# Allegro board BeagleBone AI -64_PCB_V1.02_211119.brd (continued)
## Routing (per net, layer and track width the routed paths; a pad name or vN(x,y) marks a point on that pad's centre or on a via; arc(x,y) is an arc through that point) (continued)
N23_ADC1_AIN0/C29_WKUP_GPIO0_59: length 75.4
  TOP w0.165: v1(-21.28,39.88) -21.22,39.94 R260.2 ; v1(-19.88,48.76) -19.88,48.79 -19.95,48.73 R273.2
  L3-SIGNAL w0.102: v1(-45.85,7.73) -45.28,8.3 -45.28,8.69 -44.14,9.83 -39.06,9.83 -38.65,9.42 -37.71,9.42 -37.51,9.63 -36.77,9.63 -34.25,7.11 -26.58,7.11 -23.93,9.76 -21.23,9.76 v1(-21,9.53)
  L8-PWR/GND w0.127: v1(-21.28,39.88) -20.57,40.59 -20.57,45.75 -20.76,45.94 -20.76,46.27 -20.57,46.46 -20.57,48.08 v1(-19.88,48.76)
  L10-SIGNAL w0.102: v1(-21,9.53) -21.91,10.44 -21.91,22.51 -21.76,22.66 -21.76,31.01 -21.86,31.12 -21.86,33.68 -21.99,33.81 -21.99,35.82 -21.84,35.97 -21.84,37.01 -21.2,37.65 -21.2,38.75 -21.28,38.83 v1(-21.28,39.88)
  BOTTOM w0.165: J10.16 v1(-45.85,7.73) ; v1(-21,9.53) -21.48,10.01 -21.48,12.07 -20.9,12.65 D19.2
Net_81:
  vias: v1(-27.37,35.58)
Net_112: length 0.6
  TOP w0.229: v1(-4.29,41.58) -4.69,41.98 -4.69,41.98
Net_369: length 0.6
  TOP w0.229: 0.91,47.58 v1(1.31,47.18)
Net_370: length 0.6
  TOP w0.229: 0.91,45.98 0.91,45.98 v1(1.31,45.58)
Net_396: length 0.6
  TOP w0.165: 4.11,56.38 4.11,56.39 v1(4.51,56.79)
Net_397: length 0.6
  TOP w0.165: 3.31,56.38 3.31,56.39 v1(3.71,56.79)
Net_398: length 0.6
  TOP w0.165: v1(3.71,55.99) 3.71,55.98 3.31,55.58
Net_399: length 0.6
  TOP w0.165: 4.91,55.58 5.31,55.98 v1(5.31,55.99)
Net_400: length 0.6
  TOP w0.165: v1(5.31,56.79) 5.31,56.78 4.91,56.38
Net_401: length 0.6
  TOP w0.229: v1(2.91,56.79) 2.51,56.39 2.51,56.38
Net_403: length 0.6
  TOP w0.229: 0.91,57.18 0.91,57.19 v1(1.31,57.59)
Net_404: length 0.6
  TOP w0.229: v1(1.31,56.79) 0.91,56.39 0.91,56.38
Net_405: length 0.6
  TOP w0.165: v1(3.71,59.99) 3.34,59.62 3.34,59.62 3.31,59.58
Net_406: length 0.6
  TOP w0.165: v1(2.91,59.99) 2.51,59.59 2.51,59.58
Net_407: length 0.6
  TOP w0.165: 4.11,60.38 4.51,60.78 v1(4.51,60.79)
Net_408: length 0.6
  TOP w0.165: v1(3.71,60.79) 3.32,60.4 3.32,60.39 3.31,60.38
Net_409: length 0.6
  TOP w0.165: v1(1.31,59.19) 0.93,58.81 0.91,58.78
Net_410: length 0.6
  TOP w0.165: 1.71,58.78 2.11,59.18 v1(2.11,59.19)
Net_411: length 0.6
  TOP w0.165: 0.11,57.98 0.11,57.99 v1(0.51,58.39)
Net_412: length 0.6
  TOP w0.165: v1(1.31,58.39) 1.31,58.38 0.91,57.98 0.91,57.98
Net_414: length 0.6
  TOP w0.165: -3.09,57.18 -3.09,57.19 v1(-2.69,57.59)
Net_424: length 0.6
  TOP w0.229: 0.91,41.98 v1(1.31,41.58)
Net_425: length 0.6
  TOP w0.229: 0.91,41.18 v1(1.31,40.78)
Net_426: length 0.6
  TOP w0.165: -1.49,57.18 -1.49,57.19 -1.48,57.2 v1(-1.09,57.59)
Net_427: length 0.6
  TOP w0.165: v1(-1.89,56.79) -2.28,56.4 -2.29,56.38
Net_436: length 0.6
  TOP w0.229: 1.71,40.38 v1(2.11,39.98)
OSC1_XI: length 8.2
  TOP w0.165: v1(-24.5,49.03) -24.56,49.09 R219.1
  TOP w0.229: v1(-17.89,47.98) -17.89,47.98 U19.P29
  L3-SIGNAL w0.102: v1(-24.5,49.03) -23.45,47.98 -21.43,47.98 -21.1,47.65 -19.53,47.65 -19.19,47.98 v1(-17.89,47.98)
OSC1_XO: length 10.7
  TOP w0.165: R227.1 -23.99,49.76 -24.03,49.79 -24.41,49.79 v1(-24.48,49.86)
  TOP w0.229: v1(-16.29,47.98) -15.89,48.38 U19.P27
  L3-SIGNAL w0.102: v1(-16.29,47.98) -16.7,48.39 -19.14,48.39 -19.55,47.98 -21.08,47.98 -21.36,48.26 -23.16,48.26 -24,49.1 -24,49.38 v1(-24.48,49.86)
OV1: length 12
  L3-SIGNAL w0.102: v1(47.07,7.98) 45.45,7.98 44.74,8.69 41.37,8.69 40.89,9.17 v1(40.42,9.17)
  BOTTOM w0.165: R352.2 49.49,7.22 49.25,7.45 48.37,7.45 R17.1 47.33,6.96 47.07,7.22 v1(47.07,7.98) ; v1(40.42,9.17) 40.44,9.19 U1.5
OV2: length 11.2
  TOP w0.165: v1(46.23,8.92) 42.5,8.92 42.18,8.6 v1(40.94,8.6)
  BOTTOM w0.165: R354.2 49.64,7.78 48.33,7.78 R14.1 47.63,8.49 46.67,8.49 v1(46.23,8.92) ; U1.4 v1(40.94,8.6)
OVERCUR1Z: length 35.7
  TOP w0.165: v1(-7.72,28.84) -8.26,28.3 U20.46
  L10-SIGNAL w0.102: v1(-7.72,28.84) -7.03,28.14 -4.95,28.14 -3.6,29.49 -3.6,30.53 -3.42,30.71 -1.14,30.71 -0.02,29.59 3.77,29.59 5.39,27.97 5.39,24.26 5.02,23.89 5.02,22.95 3.66,21.59 3.66,15.61 v1(2.24,14.19)
  BOTTOM w0.165: U4.10 2.43,12.28 2.24,12.47 2.24,13.38 R85.2 2.41,13.98 2.24,14.15 2.24,14.19 v1(2.24,14.19)
PCIE1_REFCLK_N: length 51.6
  BOTTOM w0.106: J4.49 39.73,72.53 39.85,72.41 39.85,71.8 38.4,70.34 29.62,70.34 R37.2 29.32,70.34 28.44,70.34 25.99,67.9 20.33,67.9 19.19,66.75 17.04,66.75 16.23,67.56 -2.24,67.56 -4.17,65.62 -4.17,64.78 R96.1 -4.41,64.05 R95.2
PCIE1_REFCLK_P: length 51.6
  BOTTOM w0.106: R93.2 -3.65,64.1 R91.1 -3.91,64.74 -3.91,65.51 -2.13,67.29 16.12,67.29 16.93,66.48 19.3,66.48 20.44,67.63 26.1,67.63 28.55,70.07 29.32,70.07 R37.1 29.62,70.07 38.51,70.07 40.12,71.69 40.12,72.41 40.23,72.53 J4.47
PCIE1_RX0_N: length 65.2
  TOP w0.188: U19.AH15 -6.29,59.59 v1(-6.69,59.99)
  L12-SIGNAL w0.136: v1(-6.69,59.99) -6.69,60.12 arc(-6.67,60.24) -6.6,60.35 -6.39,60.56 arc(-6.33,60.64) -6.32,60.74 -6.32,60.85 arc(-6.35,61.01) -6.44,61.14 -7.03,61.74 -7.63,61.74 -8.17,62.28 -8.17,66.47 -3.12,71.53 13.35,71.53 15.55,69.33 19.68,69.33 20.69,68.31 25.11,68.31 28.09,71.3 41.22,71.3 41.36,71.44 41.36,71.83 v1(41.08,72.11)
  BOTTOM w0.152: 41.23,73.28 41.23,73.29 J4.43 ; 41.23,73.28 41.23,72.6 41.29,72.54 41.29,72.32 v1(41.08,72.11) ; 41.23,73.28 41.23,73.44
PCIE1_RX0_P: length 64.9
  TOP w0.188: v1(-5.89,60.79) -5.49,60.39 U19.AJ14
  L12-SIGNAL w0.136: v1(41.84,72.11) 41.65,71.92 41.65,71.31 41.34,71.01 28.21,71.01 25.23,68.02 20.57,68.02 19.56,69.04 15.42,69.04 13.23,71.24 -3,71.24 -7.88,66.35 -7.88,65.55 -7.74,65.42 -7.67,65.42 -7.54,65.28 -7.54,65.01 -7.67,64.87 -7.74,64.87 -7.88,64.74 -7.88,64.47 -7.74,64.33 -7.67,64.33 -7.54,64.2 -7.54,63.92 -7.67,63.79 -7.74,63.79 -7.88,63.65 -7.88,62.4 -7.51,62.03 -6.91,62.03 -5.97,61.09 arc(-5.91,61) -5.89,60.9 v1(-5.89,60.79)
  BOTTOM w0.152: J4.41 41.73,73.21 41.73,73.2 41.73,72.59 41.63,72.49 41.63,72.26 41.78,72.11 v1(41.84,72.11)
PCIE1_RX1_N: length 61.6
  TOP w0.152: v1(-7.49,59.99) -7.09,59.58
  TOP w0.188: -7.09,59.58 U19.AH16
  L3-SIGNAL w0.136: v1(-9.85,63.4) -9.61,63.63 -9.61,64.14 -8.97,64.78 -8.4,64.78 -7.4,65.78 -7.4,68.47 -4.84,71.03 13.71,71.03 15.53,69.22 19.92,69.22 20.22,69.52 21.77,69.52 22.74,68.56 25.43,68.56 30.49,73.61 34.44,73.61 35.36,74.53 35.36,74.8 v1(35.13,75.04)
  L12-SIGNAL w0.136: v1(-7.49,59.99) -7.94,60.44 -7.94,60.78 -8.06,60.9 -8.7,60.9 -9.58,61.78 -9.58,63.13 v1(-9.85,63.4)
  BOTTOM w0.152: 35.23,73.47 J4.67 35.23,74.48 35.35,74.6 35.35,74.81 v1(35.13,75.04)
PCIE1_RX1_P: length 61.5
  TOP w0.152: U19.AJ15 -6.29,60.38 v1(-6.69,60.79)
  L3-SIGNAL w0.136: v1(35.89,75.04) 35.66,74.8 35.66,74.41 34.56,73.32 30.61,73.32 25.55,68.26 22.62,68.26 21.65,69.23 20.35,69.23 20.04,68.92 15.4,68.92 13.59,70.74 -4.72,70.74 -7.11,68.35 -7.11,65.66 -8.27,64.49 -8.85,64.49 -9.32,64.02 -9.32,63.63 v1(-9.09,63.4)
  L12-SIGNAL w0.136: v1(-6.69,60.79) -6.96,60.79 -7.36,61.19 -8.58,61.19 -9.29,61.9 -9.29,63.2 v1(-9.09,63.4)
  BOTTOM w0.152: 35.73,73.47 J4.65 35.73,74.48 35.64,74.57 35.64,74.79 v1(35.89,75.04)
PCIE1_TX0_N: length 65.2
  TOP w0.152: C377.2 -5.16,64.02 -5.16,64.22 -4.98,64.4 -4.32,64.4 -3.69,65.03 -3.69,66.76 v1(-3.45,66.99)
  L12-SIGNAL w0.136: v1(-3.45,66.99) -3.69,67.23 -3.69,68.02 -1.44,70.27 12.38,70.27 14.79,67.86 19.32,67.86 20.87,66.31 26.04,66.31 26.83,67.1 27.79,67.1 30.63,69.94 41.63,69.94 44.51,72.82 45.4,72.82 v1(45.64,72.59)
  BOTTOM w0.152: v1(45.64,72.59) 45.47,72.76 44.89,72.76 43.94,71.81 43.16,71.81 42.84,72.13 42.84,72.51 42.73,72.62 J4.37
PCIE1_TX0_P: length 66.6
  TOP w0.152: v1(-4.22,66.99) -3.98,66.76 -3.98,65.15 -4.44,64.7 -5.1,64.7 -5.45,64.34 -5.45,63.99 -5.65,63.79 C375.2
  L12-SIGNAL w0.136: v1(45.64,73.35) 45.4,73.12 44.39,73.12 44.12,72.84 43.92,72.84 43.79,72.98 43.6,72.98 43.4,72.78 43.4,72.59 43.54,72.46 43.54,72.26 41.51,70.23 30.51,70.23 27.67,67.39 26.71,67.39 25.92,66.6 20.99,66.6 19.44,68.15 14.92,68.15 12.5,70.56 -1.56,70.56 -2.42,69.69 -2.62,69.69 -2.77,69.85 -2.97,69.85 -3.16,69.66 -3.16,69.47 -3,69.31 -3,69.12 -3.98,68.14 -3.98,67.23 v1(-4.22,66.99)
  BOTTOM w0.152: J4.35 43.23,72.62 43.13,72.51 43.13,72.25 43.28,72.1 43.81,72.1 44.77,73.05 45.34,73.05 v1(45.64,73.35)
PCIE1_TX1_N: length 53.4
  TOP w0.152: C368.2 -6.97,64.01 -6.97,64.48 -6.63,64.82 -6.24,64.82 -5.28,65.79 -5.28,67.13 -4.69,67.72 9.02,67.72 9.86,66.88 13.09,66.88 15.58,69.37 19.95,69.37 20.17,69.6 21.77,69.6 22.76,68.61 25.15,68.61 26.63,70.08 29.06,70.08 32.37,73.38 36.4,73.38 36.84,73.82 36.84,74.67 v1(36.6,74.9)
  BOTTOM w0.152: 36.73,73.47 J4.61 36.73,74.77 v1(36.6,74.9)
PCIE1_TX1_P: length 54.7
  TOP w0.152: v1(37.36,74.9) 37.13,74.67 37.13,73.7 36.52,73.09 32.49,73.09 29.19,69.79 26.75,69.79 25.27,68.31 22.64,68.31 21.65,69.31 20.3,69.31 20.07,69.08 15.7,69.08 13.21,66.59 9.74,66.59 8.9,67.43 0.82,67.43 0.66,67.27 0.66,67.18 0.51,67.03 0.21,67.03 0.05,67.18 0.05,67.27 -0.1,67.43 -0.4,67.43 -0.55,67.27 -0.55,67.18 -0.71,67.03 -1.01,67.03 -1.16,67.18 -1.16,67.27 -1.32,67.43 -1.62,67.43 -1.77,67.27 -1.77,67.18 -1.93,67.03 -2.23,67.03 -2.38,67.18 -2.38,67.27 -2.54,67.43 -4.57,67.43 -4.98,67.01 -4.98,65.67 -6.12,64.53 -6.51,64.53 -6.68,64.36 -6.68,64.01 C373.2
  BOTTOM w0.152: v1(37.36,74.9) 37.23,74.78 J4.59 37.23,73.47
PG_1V1: length 1.5
  TOP w0.165: R244.2 11.39,26.19 11.15,25.96 U18.3
PG_2V5: length 2.8
  TOP w0.165: U9.3 -20.29,16.16 -19.81,15.67 R243.2
PHY_CLK_OUT: length 3.3
  TOP w0.165: v1(-30.73,27.2) -30.73,27.27 -31.22,27.76 U15.18
  BOTTOM w0.165: v1(-30.73,27.2) -31.5,27.98 R386.1
PHY_CLK_OUT_TP: length 0.9
  BOTTOM w0.165: R386.2 -31.5,30.14 TP1.1
PHY_GPIO0: length 6.2
  TOP w0.165: U15.39 -29.22,38.22 R197.1 R196.2 -29.29,40.57 v1(-29.56,40.57)
  BOTTOM w0.165: v1(-29.56,40.57) -29.55,40.59 R387.1
PHY_GPIO0_TP: length 1
  BOTTOM w0.165: TP17.1 -29.55,41.65 R387.2
PHY_GPIO1: length 8.6
  TOP w0.165: v1(-32.79,40.82) -32.48,40.51 -30.2,40.51 R184.2 R185.1 -29.57,38.39 -29.72,38.23 U15.40
  BOTTOM w0.165: v1(-32.79,40.82) -33,40.6 R388.1
PHY_GPIO1_TP: length 1.1
  BOTTOM w0.165: TP18.1 -34.09,40.72 -33.97,40.6 R388.2
PHY_LED0: length 49
  TOP w0.165: R167.2 -34.53,37.53 ; -34.53,37.53 R168.1 -33.88,36.73 -33.22,36.08 U15.47 ; -34.53,37.53 v1(-34.54,37.54) ; R183.2 -31.69,5.23 -34.31,7.85 v1(-34.31,8.92)
  L3-SIGNAL w0.102: v1(-34.31,8.92) -34.31,9.63 -34.79,10.11 -34.79,11.69 -33.55,12.93 -33.55,14.1 -34.03,14.58 -34.54,14.58 -38.59,18.63 -38.59,28.87 -39.01,29.29 -39.01,34.82 -41.17,36.98 v1(-41.17,37.77)
  L5-SIGNAL w0.102: v1(-41.17,37.77) -40.76,37.77 -40.66,37.67 -37.66,37.67 -37.25,37.26 -34.83,37.26 v1(-34.54,37.54)
  BOTTOM w0.165: R389.1 -34.47,37.48 v1(-34.54,37.54)
PHY_LED0_TP: length 1.3
  BOTTOM w0.165: R389.2 -33.98,36.84 -33.83,36.68 TP19.1
PHY_LED1: length 52
  TOP w0.165: R186.2 -30.52,5.87 -31.34,5.87 v1(-33.52,8.05) ; R170.2 v1(-33.55,38.86) -33.55,36.93 -32.72,36.11 U15.46
  L3-SIGNAL w0.102: v1(-40.79,38.28) -40.79,37.09 -38.78,35.08 -38.78,29.39 -38.35,28.96 -38.35,18.73 -34.44,14.81 -33.93,14.81 -33.32,14.19 -33.32,12.84 -34.56,11.59 -34.56,10.21 -33.52,9.17 v1(-33.52,8.05)
  L5-SIGNAL w0.102: v1(-40.79,38.28) -40.63,38.43 -33.97,38.43 v1(-33.55,38.86)
  BOTTOM w0.165: R390.1 -33.55,38.85 v1(-33.55,38.86)
PHY_LED1_TP: length 1.1
  BOTTOM w0.165: R390.2 -35.12,38.85 TP20.1
PHY_LED2: length 53.8
  TOP w0.165: R179.2 v1(-32.44,38.85) -32.44,38.39 -32.76,38.06 -32.76,36.76 -32.22,36.22 U15.45 ; R191.2 -29.8,6.2 -30.73,6.2 -32.85,8.32 v1(-32.85,8.9)
  L3-SIGNAL w0.102: v1(-32.85,8.9) -34.33,10.38 -34.33,11.5 -33.09,12.74 -33.09,14.29 -33.89,15.09 -34.39,15.09 -38.12,18.82 -38.12,29.06 -38.55,29.49 -38.55,35.23 -40.44,37.12 -40.44,37.76 v1(-40.15,38.05)
  L5-SIGNAL w0.102: v1(-32.44,38.85) -33.13,38.15 -35.88,38.15 -36.41,37.62 -37.03,37.62 -37.46,38.05 v1(-40.15,38.05)
  BOTTOM w0.165: R391.1 -40.01,37.91 v1(-40.15,38.05)
PHY_LED2_TP: length 0.9
  BOTTOM w0.165: R391.2 -40.02,36.65 TP21.1
PHY_RBIAS: length 0.2
  TOP w0.254: U15.12 v1(-34.42,28.92)
PHY_TD_A_M: length 32.2
  TOP w0.106: U15.2 -34.85,34.15 -34.97,34.27 -36.05,34.27 v1(-36.3,34.02) ; v1(-25.96,20.77) -25.71,20.52 -25.71,19.87 -26.21,19.37 -26.21,19.07 -26.33,18.96 U17.2 U17.9 -26.33,17.13 -26.21,17.02 -26.21,16.47 -25.66,15.92 -25.66,15.34 -25.77,15.23 -25.97,15.23 -26.08,15.13 -26.08,14.91 -25.97,14.81 -25.77,14.81 -25.66,14.7 -25.66,12.83 -26.1,12.39 -26.24,12.32 -26.38,12.37 J9.3
  L3-SIGNAL w0.103: v1(-36.3,34.02) -36.07,34.25 -35.08,34.25 -30.32,29.49 -30.32,29.14 -30.47,28.99 -30.47,28.73 -30.32,28.57 -30.32,27.43 -25.72,22.84 -25.72,21.01 v1(-25.96,20.77)
PHY_TD_A_P: length 32.3
  TOP w0.106: v1(-25.2,20.77) -25.44,20.52 -25.44,19.76 -25.95,19.26 -25.95,19.07 -25.83,18.95 U17.1 U17.10 -25.83,17.13 -25.95,17.02 -25.95,16.58 -25.39,16.03 -25.39,12.72 -25.94,12.17 -26.12,12.08 -26.17,11.94 J9.2 ; U15.1 -34.84,34.65 -34.96,34.53 -36.05,34.53 v1(-36.3,34.78)
  L3-SIGNAL w0.103: v1(-25.2,20.77) -25.42,20.99 -25.42,22.96 -30.02,27.56 -30.02,29.62 -34.95,34.55 -36.07,34.55 v1(-36.3,34.78)
PHY_TD_B_M: length 28.5
  TOP w0.106: v1(-35.69,32.52) -35.45,32.77 -34.94,32.77 -34.83,32.65 U15.5 ; v1(-28.47,20.31) -28.23,20.07 -28.23,19.78 -27.71,19.27 -27.71,19.07 -27.83,18.95 U17.5 U17.6 -27.83,17.13 -27.71,17.02 -27.71,15.89 -28.15,15.45 -28.15,15.23 -28.26,15.12 -28.49,15.12 -28.59,15.02 -28.59,14.8 -28.49,14.7 -28.26,14.7 -28.15,14.59 -28.15,12.87 -28.64,12.39 -28.78,12.32 -28.92,12.37 J9.5
  L3-SIGNAL w0.103: v1(-28.47,20.31) -28.24,20.54 -28.24,22.49 -31.74,25.99 -31.74,28.38 -31.9,28.54 -31.9,28.8 -31.74,28.95 -31.74,29.42 -35.1,32.77 -35.44,32.77 v1(-35.69,32.52)
PHY_TD_B_P: length 28.5
  TOP w0.106: v1(-35.69,33.28) -35.45,33.03 -34.96,33.03 -34.84,33.15 U15.4 ; J9.4 -28.71,11.94 -28.66,12.08 -28.48,12.17 -27.89,12.76 -27.89,15.34 -27.45,15.78 -27.45,17.02 -27.33,17.13 U17.7 U17.4 -27.33,18.95 -27.45,19.07 -27.45,19.38 -27.96,19.89 -27.96,20.07 v1(-27.71,20.31)
  L3-SIGNAL w0.103: v1(-27.71,20.31) -27.94,20.54 -27.94,22.61 -31.44,26.11 -31.44,29.54 -34.97,33.07 -35.49,33.07 v1(-35.69,33.28)
PHY_TD_C_M: length 28.2
  TOP w0.106: v1(-36.33,31.02) -36.08,31.27 -35.07,31.27 -34.95,31.15 U15.8 ; v1(-33.56,20.36) -33.31,20.12 -33.31,19.74 -33.62,19.44 -33.62,19.06 -33.74,18.94 U13.2 U13.9 -33.74,17.13 -33.62,17.02 -33.62,16.59 -33.23,16.19 -31.47,16.19 -30.69,15.41 -30.69,15.16 -30.8,15.05 -31,15.05 -31.11,14.95 -31.11,14.73 -31,14.63 -30.8,14.63 -30.69,14.52 -30.69,12.87 -31.1,12.47 -31.18,12.47 -31.33,12.32 -31.46,12.37 J9.7
  L3-SIGNAL w0.103: v1(-36.33,31.02) -36.1,31.25 -35,31.25 -33.72,29.97 -33.72,28.5 -33.9,28.32 -33.9,28.08 -33.72,27.9 -33.72,26.44 -33.29,26.01 -33.29,21.69 -33.33,21.65 -33.33,20.59 v1(-33.56,20.36)
PHY_TD_C_P: length 28.2
  TOP w0.106: U15.7 -34.95,31.65 -35.07,31.53 -36.08,31.53 v1(-36.33,31.78) ; v1(-32.8,20.36) -33.05,20.12 -33.05,19.63 -33.35,19.33 -33.35,19.06 -33.24,18.94 U13.1 U13.10 -33.24,17.13 -33.35,17.02 -33.35,16.7 -33.12,16.46 -31.36,16.46 -30.43,15.53 -30.43,12.76 -30.98,12.21 -31.07,12.21 -31.2,12.08 -31.25,11.94 J9.6
  L3-SIGNAL w0.103: v1(-32.8,20.36) -33.03,20.59 -33.03,21.53 -32.99,21.57 -32.99,26.14 -33.42,26.57 -33.42,30.1 -34.87,31.55 -36.1,31.55 v1(-36.33,31.78)
PHY_TD_D_M: length 23.4
  TOP w0.106: v1(-35.37,19.25) -35.24,19.12 U13.5 U13.6 -35.24,17.13 -35.12,17.02 -35.12,16.54 -33.91,15.33 -33.91,15.18 -34.05,15.04 -34.05,14.89 -33.9,14.73 -33.75,14.73 -33.61,14.88 -33.46,14.88 -33.23,14.65 -33.23,12.91 -33.79,12.35 -33.86,12.32 -34,12.37 J9.9 ; v1(-35.66,29.52) -35.41,29.77 -34.96,29.77 -34.85,29.65 U15.11
  L3-SIGNAL w0.103: v1(-35.37,19.25) -35.15,19.47 -35.15,20.55 -35.91,21.31 -35.91,27.33 -36.11,27.53 -36.11,27.75 -35.91,27.95 -35.91,28.39 -35.07,29.23 -35.07,29.64 -35.17,29.74 -35.43,29.74 v1(-35.66,29.52)
PHY_TD_D_P: length 23.5
  TOP w0.106: v1(-35.66,30.28) -35.41,30.03 -34.96,30.03 -34.85,30.15 U15.10 ; J9.8 -33.79,11.94 -33.74,12.08 -33.63,12.14 -32.97,12.79 -32.97,14.76 -34.85,16.65 -34.85,17.02 -34.74,17.13 U13.7 U13.4 -34.74,19.12 v1(-34.6,19.25)
  L3-SIGNAL w0.103: v1(-34.6,19.25) -34.84,19.49 -34.84,20.68 -35.6,21.44 -35.6,28.26 -34.77,29.1 -34.77,29.77 -35.05,30.05 -35.43,30.05 v1(-35.66,30.28)
PHY_VDD_1V1: length 10.6
  TOP w0.165: C337.1 -20.93,25.67 v1(-20.82,25.55)
  TOP w0.254: U15.31 v1(-26.95,32.15) ; U15.24 v1(-28.22,27.88) ; U15.6 v1(-35.01,32.15) ; U15.42 v1(-30.72,36.45)
  BOTTOM w0.254: v1(-30.72,36.45) -30.72,35.9 -30.98,35.64 C298.1 -31.8,35.26 C299.1 ; C287.1 -27.61,28.73 C292.1 -28.44,28.09 v1(-28.22,27.88) ; C290.1 -27.51,32.2 C288.1 -26.99,32.18 v1(-26.95,32.15) ; C303.1 -34.4,32.84 C306.1 -34.84,31.98 v1(-35.01,32.15)
PHY_VDDA_1V8_1: length 2
  TOP w0.254: TP6.1 -34.04,27.79 -34.04,27.93 -33.72,28.25 U15.13
PHY_VDDA_1V8_2: length 2.1
  TOP w0.165: U15.48 -34.08,35.35 -34.31,35.58 TP5.1
PHY_VDDA_2V5: length 13.1
  TOP w0.254: U15.9 v1(-35.01,30.65) ; U15.3 -35.01,33.65 v1(-35.02,33.66)
  TOP w0.381: FL8.2 v1(-37.45,29.78)
  BOTTOM w0.254: v1(-35.02,33.66) -34.95,33.72 C307.1 -34.41,33.73 C305.1 ; v1(-35.01,30.65) -34.91,30.74 C308.1 -34.45,29.98 C304.1
  BOTTOM w0.381: -37.26,29.77 -36.42,28.93 -35.36,28.93 C304.1 ; C305.1 -35.15,35.33 -36.7,35.33 -37.33,34.7 -37.33,32.84
PHY_VDDIO_3V3: length 18.7
  TOP w0.254: -27.67,39.88 v1(-27.67,39.88) ; -34.6,39.79 R170.1 ; U15.41 v1(-30.22,35.96) ; v1(-25.9,25.55) -26.01,25.66 C327.1 ; -27.57,37.88 v1(-27.57,37.87) ; R167.1 v1(-35.45,37.75) ; U15.30 -26.79,31.65 -26.69,31.55 -26.61,31.55 v1(-26.61,31.57) ; -30.49,39.88 v1(-30.49,39.88) ; v1(-31.86,37.94) R181.1 R182.1
  TOP w0.305: U15.19 v1(-30.72,27.87)
  TOP w0.381: FL10.2 -25.22,25.41 -26.06,24.56 -26.41,24.56 -26.41,24.54 -26.38,24.51 -26.38,24.44 v1(-26.38,24.44) ; R179.1 v1(-30.49,39.88)
  BOTTOM w0.254: v1(-30.22,35.96) -30.22,35.26 C295.1 -29.4,35.26 C293.1 ; C294.1 -29.89,28.73 C297.1 -30.73,28.34 -30.72,28.34 v1(-30.72,27.87) ; -28.29,39.47 -28.7,39.88 ; v1(-26.61,31.57) -26.61,31.55 -26.69,31.55 -26.79,31.65 -27.3,31.65 C289.1 -27.53,30.63 C291.1
  BOTTOM w0.381: v1(-27.57,37.87) -28.29,38.59 -28.29,39.5 -27.91,39.88 ; -27.91,39.88 v1(-30.49,39.88) ; -27.91,39.88 v1(-27.67,39.88)
  vias: v1(-34.69,39.78)
PHY_XI: length 6
  TOP w0.165: U15.15 -32.72,27.65 -32.33,27.26 C321.1 -32.33,25.99 -31.95,25.6 -30.58,25.6 -30.09,25.12 X1.1
PHY_XO: length 6.9
  TOP w0.165: C322.1 -31.55,22.44 X1.3 -31.94,22.88 -31.08,23.73 -31.08,25.05 -31.31,25.27 -32.12,25.27 -33.19,26.35 R174.2
PHY_XO_R: length 1.7
  TOP w0.165: R174.1 -33.57,26.92 -33.57,27.41 -33.22,27.76 U15.14
PMIC_ENABLE: length 19.8
  TOP w0.165: R1.2 46.63,43.02 46.23,43.41 v1(44.96,43.41) ; v1(33.59,47.42) 33.53,47.36 R339.1 ; U30.20 v1(41.63,49.02)
  L5-SIGNAL w0.102: v1(44.96,43.41) 43.29,45.09 43.29,47.86 42.88,48.26 42.17,48.26 41.91,48.52 41.91,48.74 v1(41.63,49.02)
  L10-SIGNAL w0.102: v1(33.59,47.42) 36.74,47.42 38.88,49.57 41.08,49.57 v1(41.63,49.02)
PMIC_I2C1_SCL: length 42.9
  TOP w0.165: v1(50.73,49.84) 50.02,49.84 49.94,49.91 48.69,49.91 46.98,51.62 U30.31 ; v1(49.33,43.28) 49.13,43.08 R378.2 ; v1(49.83,21.53) 49.69,21.39 46.37,21.39 45.52,22.24 45.52,23.04 44.93,23.64 U29.31
  L3-SIGNAL w0.102: v1(50.73,49.84) 48.96,48.06 48.96,44.09 49.33,43.71 v1(49.33,43.28) 50.22,43.28 50.53,42.98 50.53,22.23 v1(49.83,21.53)
PMIC_I2C1_SDA: length 42.8
  TOP w0.165: U30.30 46.98,51.12 47.12,50.99 47.12,50.95 48.49,49.58 49.8,49.58 49.98,49.41 50.26,49.13 v1(51.34,49.13) ; R379.2 50.93,43.36 v1(50.78,43.51) ; U29.30 44.89,23.14 45.14,22.89 45.14,22.15 46.29,21.01 49.31,21.01 v1(49.79,20.52)
  L3-SIGNAL w0.102: v1(51.34,49.13) 50.49,48.28 50.49,43.8 v1(50.78,43.51) 50.78,21.52 v1(49.79,20.52)
PMIC_MCU_INT#: length 5.5
  TOP w0.229: U19.G28 -16.69,42.78 v1(-17.09,42.38)
  L5-SIGNAL w0.102: v1(-21.01,41.41) -20.55,41.41 -20.47,41.33 -19.68,41.33 -19.06,41.94 -17.53,41.94 v1(-17.09,42.38)
  BOTTOM w0.165: v1(-21.01,41.41) -21.1,41.41 -21.1,41.44 R127.1
PMIC_POWER_EN1: length 97.7
  TOP w0.165: v1(46.92,57.43) 46.61,57.12 U30.42
  TOP w0.229: U19.G23 -13.09,42.38 v1(-13.09,42.38)
  L5-SIGNAL w0.102: v1(-12.87,35.33) -12.87,33.81 -11.35,32.28 -1.62,32.28 -0.79,31.46 8.05,31.46 8.24,31.27 9.66,31.27 11.03,32.64 16.17,32.64 16.41,32.41 23.11,32.41 23.27,32.56 23.27,32.56 23.49,32.77 23.49,33.04 23.78,33.33 29.34,33.33 29.55,33.53 29.55,41.3 30.05,41.81 30.05,49.84 28.96,50.93 28.96,53.34 29.06,53.44 v1(29.06,53.93)
  L10-SIGNAL w0.102: v1(29.06,53.93) 29.37,54.23 30.23,54.23 30.77,53.7 30.77,53.19 31.46,52.49 33.97,52.49 34,52.45 36.91,52.45 37.72,53.26 37.86,53.26 38.08,53.48 38.08,53.5 38.67,54.09 43.58,54.09 v1(46.92,57.43) ; v1(-13.09,42.38) -11.86,41.14 -11.86,39.32 -12.65,38.52 -12.65,35.75 -12.87,35.54 v1(-12.87,35.33)
PMIC_WAKE2: length 3
  TOP w0.254: U29.42 v1(44.96,29.14)
  BOTTOM w0.254: v1(44.96,29.14) 44.91,29.14 44.59,28.82 R11.1 43.86,29.21 44,29.35 R8.2
PMICA_AMUXOUT: length 6.4
  TOP w0.305: TP10.1 33.54,58.56 33.55,58.55 36.86,58.55 37.37,58.04 37.37,57.46 37.7,57.12 U30.1
PMICB_AMUXOUT: length 7.1
  TOP w0.305: TP9.1 32.47,30.49 34.8,30.49 35.34,29.95 35.34,29.45 35.65,29.14 U29.1
PR1: length 14.5
  L3-SIGNAL w0.102: v1(47.38,5.95) 46.95,5.95 44.51,8.38 41.33,8.38 41.13,8.18 40.34,8.18 v1(39.83,8.69)
  BOTTOM w0.165: R350.2 50.12,5.75 49.9,5.54 49.32,5.54 49.16,5.37 49.16,5.09 48.92,4.85 48.31,4.85 47.88,5.28 R22.1 v1(47.38,5.95) ; U1.6 39.94,9.22 39.83,9.11 v1(39.83,8.69)
PWR_BUT: length 99.9
  L5-SIGNAL w0.102: v1(-35.6,16.97) -35.31,17.26 -33.99,17.26 -33.04,16.31 -30.63,16.31 -30.04,15.72 -24.94,15.72 -24.48,16.18 -23.18,16.18 -22.73,15.72 -15.92,15.72 -15.39,16.26 -13.13,16.26 -11.19,18.19 7.45,18.19 v1(8.54,19.28)
  L10-SIGNAL w0.102: v1(-35.6,16.97) -36.14,17.51 -36.14,20.65 -35.63,21.16 -35.63,25.88 -37.33,27.59 -37.33,29.14 -38.14,29.95 -38.14,33.05 -37.64,33.55 -37.64,36.45 -37.97,36.78 -37.97,41.23 -36.72,42.47 -36.72,48.17 -36.61,48.28 -36.61,49.78 -36.72,49.89 -36.72,50.66 -36.16,51.22 v1(-36.16,52.96)
  BOTTOM w0.165: v1(8.54,19.28) 8.71,19.45 P9.9 ; v1(-36.16,52.96) -36.16,53.06 -36.25,53.15 U8.3 -36.25,54.75 -36.47,54.97 -41.74,54.97 -42.73,55.96 SW2.4 SW2.2
PWRCTL1/BATEN1: length 37.6
  TOP w0.165: v1(-2.71,28.81) -3.26,28.26 U20.36
  L10-SIGNAL w0.102: v1(-2.71,28.81) -3.32,29.41 -3.32,30.2 -3.12,30.41 -1.29,30.41 -0.25,29.36 3.64,29.36 4.78,28.22 4.81,28.22 5.12,27.91 5.12,24.31 4.75,23.94 4.75,23 3.41,21.66 3.41,15.83 2.73,15.14 2.67,15.14 1.87,14.34 1.87,12.11 v1(5.11,8.87)
  BOTTOM w0.165: R84.1 5.1,8.85 v1(5.11,8.87) 5.98,9.73 5.98,10.59 5.79,10.78 U4.4
R23_LED_USR1: length 169.5
  TOP w0.165: v1(51.87,31.75) 52.01,31.89 R369.1
  TOP w0.229: U19.R23 v1(-13.07,48.8)
  L3-SIGNAL w0.102: v1(44.28,15.93) 48.29,15.93 48.55,15.67 49.49,15.67 49.87,16.05 49.87,19.89 51.03,21.06 51.03,30.91 v1(51.87,31.75) ; v1(-13.07,48.8) -13.53,48.34 -14.84,48.34 -14.85,48.34 -15.79,48.34 -16.6,49.15 -18.79,49.15 -19.73,48.21 -20.82,48.21 -21.76,49.15 -23.04,49.15 -24.34,50.45 -25.37,50.45 -27.45,48.36 -29.67,48.36 v1(-30.02,48.01)
  L5-SIGNAL w0.102: v1(-30.19,8.36) -29.62,7.79 -24.95,7.79 -21.2,11.54 1.72,11.54 3.27,9.98 5.64,9.98 6.16,9.46 9.09,9.46 9.61,9.98 13.31,9.98 15.07,8.23 15.34,8.23 16.63,6.94 20.47,6.94 22.01,8.49 29.9,8.49 31.48,10.06 36.79,10.06 37.51,10.79 38.71,10.79 43.85,15.93 v1(44.28,15.93)
  L8-PWR/GND w0.127: v1(-30.19,8.36) -29.42,9.13 -29.42,11.39 -30.73,12.7 -30.73,16.66 -30.4,16.99 -30.4,18.52 -29.79,19.13 -29.79,20.22 -31.34,21.77 -31.34,22.6 -31.31,22.63 -31.31,26.77 -31.67,27.13 -31.67,31.6 -31.31,31.95 -31.31,34.29 -32.86,35.84 -32.86,37.51 -31.77,38.6 -31.77,44.73 -30.02,46.48 v1(-30.02,48.01)
R_OSC1_XI: length 4.5
  TOP w0.165: R219.2 -25.65,49.35 -25.67,49.33 C328.1 -26.13,49.79 -25.95,49.97 -25.95,51.61 -26.7,52.36 X3.1
R_OSC1_XO: length 2.6
  TOP w0.165: X3.3 -25.2,50.56 -24.54,51.22 C334.1 R227.2
R_WKUP_OSC0_XIN: length 3.2
  TOP w0.165: X2.1 -25.27,45.69 -24.63,46.33 -24.63,46.71 -24.23,47.12 C335.1 -23.83,46.63 -23.92,46.53 R226.2
R_WKUP_OSC0_XOUT: length 5.1
  TOP w0.165: R217.2 C325.1 -26,45.13 -26,46.76 -26.77,47.53 X2.3
RES_LM5141: length 2.2
  BOTTOM w0.165: U3.24 17.14,11.7 16.66,11.22 16.66,10.65 16.47,10.45 C101.1
RESET_REQZ: length 1
  BOTTOM w0.165: R106.2 -18.16,34.73 -17.96,34.54 -17.96,34.52 -17.81,34.36 -17.65,34.36 -17.46,34.17 R104.2
RESETSTATZ: length 194.1
  TOP w0.165: R316.1 16.32,67.21 16.37,67.16 v1(16.37,65.81) 16.37,62.48 v1(15.98,62.09) ; v1(-16.38,22.2) -16.38,22.91 -16.72,23.26 R288.1
  TOP w0.229: v1(1.31,49.59) 0.91,49.98 U19.T6
  L5-SIGNAL w0.102: v1(16.37,65.81) 14.23,67.95 14.23,72.72 14.36,72.85 v1(14.36,73.26) ; v1(1.31,49.59) 1.31,49.95 1.77,50.41 1.77,51.02 1.75,51.04 1.75,57.74 2.04,58.03 2.26,58.03 2.55,58.32 2.55,58.54 2.79,58.78 5.49,58.78 6.29,59.58 6.29,60.74 6.81,61.27 9.22,61.27 9.23,61.26 9.53,61.26 9.54,61.27 9.81,61.27 10.04,61.49 10.85,61.49 11.44,60.91 12.74,60.91 14.34,62.51 15.56,62.51 v1(15.98,62.09) ; v1(-30.3,20.17) -29.08,20.17 -28.42,19.51 -27.81,19.51 -27.22,20.09 -18.56,20.09 -16.74,21.91 -16.66,21.91 v1(-16.38,22.2) -15.79,21.62 -12.85,21.62 -11.06,23.41 3.57,23.41 4.22,22.76 7.75,22.76 8.74,23.75 v1(9.15,23.75)
  L10-SIGNAL w0.102: v1(-30.3,20.17) -30.27,20.17 -30.27,20.19 -30.31,20.19 -32.12,22.01 -32.12,27.18 -32.63,27.69 -32.63,38.05 -32.07,38.62 -32.07,39 -32.07,39.01 -32.07,46.86 -32.96,47.75 -32.96,50.1 -32.61,50.46 -32.61,60.43 v1(-31.87,61.16) -31.87,67.86 -31.35,68.38 -31.35,73.44 -29.58,75.21 -10.52,75.21 -8.78,73.47 -3.75,73.47 -2.82,72.54 6.86,72.54 7.5,73.18 13.89,73.18 13.96,73.26 v1(14.36,73.26)
  BOTTOM w0.165: P9.10 8.71,24.19 v1(9.15,23.75) ; v1(-31.87,61.16) -31.87,60.47 -32.04,60.31 R152.2 -32.34,59.69 -32.14,59.49 U6.1